# Altium PCB Omarichet_EPS - Copy.PcbDoc (part 3 of 3)
Units mil, origin at the board's own origin, x right, y up, seen from the top; angles counter-clockwise.
Board outline 6000 x 4000 mil, 2 copper layers (Top Layer, Bottom Layer); 253 components, 165 nets, 888 pads, 190 vias.
Unrouted connection lines stored in the file: 108.
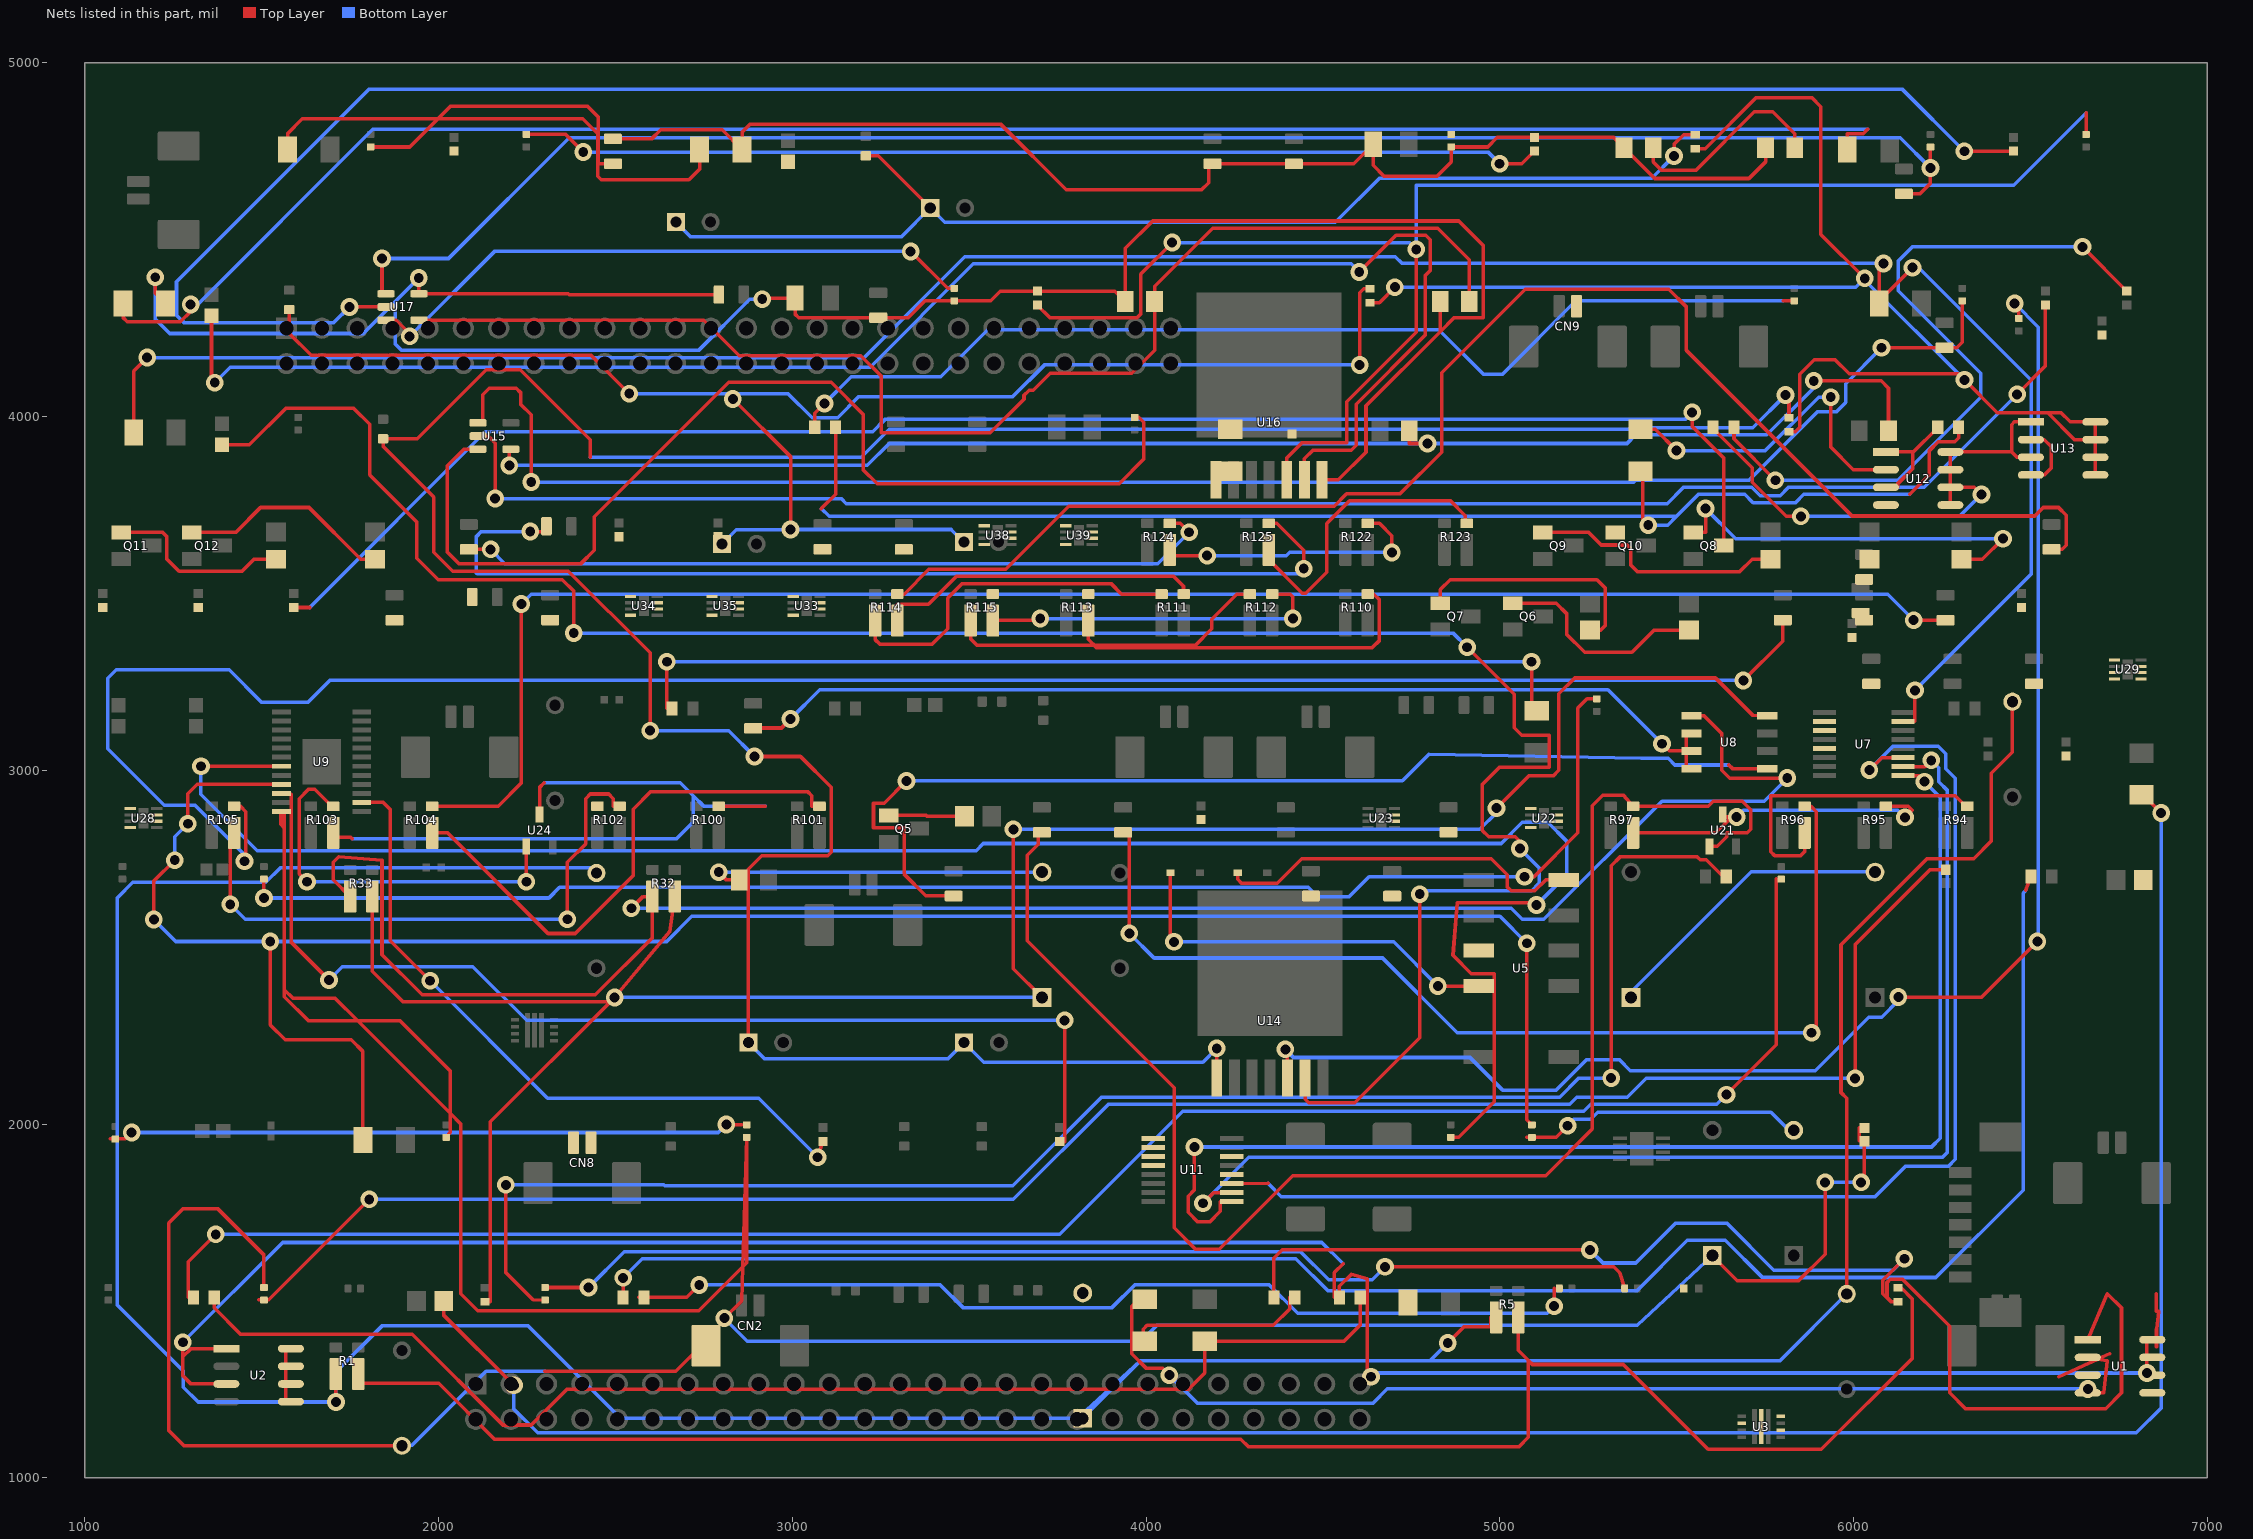
[diagram p3: the nets of this part, all layers, seen from the top]

## Via types
v1: diameter 50, hole 28, Top Layer to Bottom Layer, 190 vias

## Nets (pads, with @x,y where several pads share a name; then routed paths per layer and width w, separated by ;. In a path a pad name is that pad's centre, name@x,y a point inside that pad or via, vN(x,y) a via of type N, cw(c..) or ccw(c..) an arc to the next point about the centre after c; other vN are vias at no path point) (continued)
NetC22_1: C22.1 R51.2 | length 1801.7
  Top Layer w10: 1071.75,1958.03 1114.03,1958.03 v1(1132,1976) ; v1(2813.46,1998.46) 2856.75,1998.46
  Bottom Layer w10: v1(1132,1976) 2791,1976 v1(2813.46,1998.46)
NetC26_1: C26.1 C27.1 C28.1 J4.2 U14.1 | length 8639.2
  Top Layer w10: 2428.7,3885 2428.7,3934.47 2231.17,4132 2134.56,4132 1940,3937.44 C28.1@1842.91,3937.44 1842.91,3916.09 1986.46,3772.54 1986.46,3616.54 2040,3563 2367,3563 2598,3332 v1(2598,3112) ; C26.1@2875.79,2230 2875.79,2720.57 2913.21,2758 3100,2758 3110,2768 3110,2952 3023,3039 v1(2893,3039) ; U14.1@4200,2130 v1(4200,2214) ; v1(5807.91,4061) 5817.91,4051 J4.2@5817.91,3996.65
  Bottom Layer w10: 2428.7,3885 3195,3885 3274,3964 5364.47,3964 5368.98,3968.5 5715.42,3968.5 v1(5807.91,4061) ; v1(2598,3112) 2820,3112 v1(2893,3039) ; C26.1@2875.79,2230 2920.79,2185 3440.79,2185 C27.1@3485.79,2230 3540.79,2175 4161,2175 v1(4200,2214)
NetC29_1: C29.1 U14.6 | length 6356.4
  Top Layer w10: C29.1@1387.91,3920.47 1465,3920.47 1567.53,4023 1760,4023 1805,3978 1805,3835 1938,3702 1938,3600 1999,3539 2350,3539 2382,3507 v1(2382,3388) ; U14.6@4450,2130 4450,2070 4460,2060 4590,2060 4774,2244 v1(4774,2650) ; v1(4908,3348) 5041,3215 5041,3120 5062,3099 5140,3099 5140,3008 4999,3008 4951,2960 4951,2830 4969,2812 5044,2812 5057,2799 v1(5057,2779)
  Bottom Layer w10: v1(2382,3388) 4868,3388 v1(4908,3348) ; v1(4774,2650) 4783,2659 5090.23,2659 5111.23,2680 5111.23,2724.77 v1(5057,2779)
NetC30_1: C30.1 C31.1 C32.1 R74.1 R75.1 R76.2 R77.1 R78.2 U16.7 U17.5 | length 6505.6
  Top Layer w10: v1(1199,4394) 1199,4348.95 R78.2@1227.95,4320 ; v1(1944,4392) 1944,4347.4 U17.5@1944.57,4347.4 2367,4347.4 2369.4,4345 C31.1@2792.48,4345 ; v1(2915,4332) 2918,4335 C32.1@3007.72,4335 3007.72,4290 3018.15,4279.57 C30.1@3242.91,4279.57 3327.57,4279.57 3375.28,4327.28 R77.1@3457.91,4327.28 3561,4327.28 3588.4,4354.69 R76.2@3692.91,4354.69 3911.89,4354.69 R75.1@3941.57,4325 3941.57,4475.57 4019,4553 4884.52,4553 4952.88,4484.65 4952.88,4280 4871.57,4280 4831.57,4240 ; U16.7@4497.91,3821.5 4497.91,3821 4544,3821 4622,3899 4622,4030.43 4831.57,4240 ; R74.1@4831.57,4325 4831.57,4240
  Bottom Layer w10: v1(1199,4394) 1199,4276 1240,4235 1787,4235 1878,4326 ; v1(1944,4392) 1878,4326 ; v1(2915,4332) 2880,4332 2735,4187 1896,4187 1878,4205 1878,4326
NetC33_1: C33.1 C34.1 C35.1 J6.2 U16.1 | length 5119.6
  Top Layer w10: C35.1@1577.91,4302.44 1577.91,4235.09 1640,4173 2431,4173 v1(2539,4065) ; v1(2832,4050) 2995,3887 v1(2995,3681) ; v1(4604,4146) 4604,4350 4615.65,4361.65 J6.2@4632.91,4361.65
  Bottom Layer w10: v1(2539,4065) v1@2817,4065 ; C33.1@2800.79,3640 2841.38,3680.59 3449.41,3680.59 ; v1(2832,4050) v1@2817,4065 ; v1(2995,3681) 3449,3681 3449.41,3680.59 ; C34.1@3485,3645 3449.41,3680.59 ; v1(4604,4146) 3713,4146 3622.7,4055.7 3187,4055.7 3128.3,3997 3055.94,3997 2987.94,4065 v1@2817,4065
NetC36_1: C36.1 U16.6 | length 4716.7
  Top Layer w10: C36.1@1357.91,4285.47 1357.91,4105.09 v1(1367,4096) ; U16.6@4447.91,3821.5 4447.91,3880.91 4472,3905 4580,3905 4594,3919 4594,4035 4789,4230 4789,4398 4804,4413 4804,4500 4791,4513 4707,4513 v1(4603,4409)
  Bottom Layer w10: v1(1367,4096) 1411,4140 3220,4140 3512,4432 4580,4432 v1(4603,4409)
NetC37_1: C37.1 C38.1 C39.1 R84.1 R85.1 R86.2 R87.1 R88.2 R89.2 | length 3762.3
  Top Layer w10: R89.2@2492.91,4785.04 2602.04,4785.04 2628,4811 2801.95,4811 R88.2@2857.95,4755 2857.95,4803.95 2880,4826 3590,4826 3775,4641 4157,4641 4177,4661 4177,4714.57 C37.1@4187.91,4714.57 C38.1@4417.91,4714.57 4587.28,4714.57 C39.1@4642.72,4770 4642.72,4710.2 4672.91,4680 4822.91,4680 4862.91,4720 R87.1@4862.91,4762.28 4966,4762.28 4993.4,4789.69 R86.2@5097.91,4789.69 5321.89,4789.69 R85.1@5351.57,4760 5438.37,4673.2 5704.78,4673.2 5751.57,4720 R84.1@5751.57,4760
NetC40_1: C40.1 C41.1 C42.1 J8.2 | length 3314.5
  Top Layer w10: C42.1@3207.91,4737.44 3242.56,4737.44 C41.1@3390,4590 ; v1(5493,4737) 5493,4769.65 5520,4796.65 J8.2@5552.91,4796.65
  Bottom Layer w10: C40.1@2670.79,4550 2711.79,4509 3309,4509 C41.1@3390,4590 3431,4549 4535,4549 4660,4674 5430,4674 v1(5493,4737)
NetC43_1: C43.1
NetC44_1: C44.1 U22.4
NetC47_1: C47.1 R96.4 U22.7 | length 3018.3
  Top Layer w10: C47.1@3935.43,2824.57 3953,2824.57 v1(3953,2539) ; R96.4@5861.93,2898.15 5880,2898.15 5895,2883.15 5895,2271 v1(5882,2258)
  Bottom Layer w10: v1(3953,2539) 4022.71,2469.29 4668.71,2469.29 4880,2258 v1(5882,2258)
NetC48_1: C48.1 R97.4 U21.1 U23.7 | length 4264.3
  Top Layer w10: C48.1@3705.43,2824.57 3695,2824.57 3695,2791 3664,2760 3664,2518 4079.38,2102.62 4079.38,1706.62 4140,1646 4207,1646 4415,1854 5130,1854 5262,1986 5262,2900 5291,2929 5350,2929 R97.4@5376.93,2898.15 5589.65,2898.15 5604,2912.5 5685.5,2912.5 5710,2888 5710,2833 5700,2823 5642,2823 5642,2812 5615,2785 U21.1@5593.03,2785
NetC50_1: C50.1 U28.4
NetC52_1: C52.1 U29.4
NetC54_1: C54.1 R103.4 U24.1 | length 1090.7
  Top Layer w10: v1(1628,2685) 1606,2707 1606,2920 1632,2946 1650.15,2946 1698,2898.15 R103.4@1701.93,2898.15 ; v1(2248.03,2685) U24.1@2248.03,2785
  Bottom Layer w10: v1(1628,2685) v1(2248.03,2685)
NetC55_1: C55.1 R104.4 U28.7 | length 4853.8
  Top Layer w10: R104.4@1981.93,2898.15 2168.15,2898.15 2234,2964 v1(2234,3470) ; v1(6170.43,3424.57) C55.1@6260.43,3424.57
  Bottom Layer w10: v1(2234,3470) 2262,3498 6097,3498 v1(6170.43,3424.57)
NetC56_1: C56.1 R105.4 U29.7 | length 5822.8
  Top Layer w10: R105.4@1421.93,2898.15 1440,2898.15 1455,2883.15 1455,2747 v1(1451,2743) ; v1(5689,3254) 5800,3365 5800,3424.57 C56.1@5800.43,3424.57
  Bottom Layer w10: v1(1451,2743) 1451,2762 1311.47,2901.53 1224.47,2901.53 1065,3061 1065,3260 1089,3284 1408,3284 1499,3193 1631,3193 1692,3254 v1(5689,3254)
NetC57_1: C57.1 U33.4
NetC59_1: C59.1 U34.4
NetC61_1: C61.1 U35.4
NetC63_1: C63.1 R113.4 U33.7
NetC64_1: C64.1 R114.4 U34.7 | length 4280.8
  Top Layer w10: R114.4@3296.93,3498.15 3316.15,3498.15 3386,3568 3603,3568 3781.93,3746.93 4531.93,3746.93 4567,3782 4718.33,3782 4836,3899.67 4836,4123.59 5072.41,4360 5478,4360 5528,4310 5528,4187 5996,3719 6513,3719 6537,3743 6580,3743 6602,3721 6602,3636.57 6590,3624.57 C64.1@6560.43,3624.57
NetC65_1: C65.1 R115.4 U35.7
NetC66_1: C66.1 U38.4
NetC68_1: C68.1 U39.4
NetC70_1: C70.1 R124.4 U38.7 | length 2155.4
  Top Layer w10: C70.1@2085.43,3624.57 v1(2147,3624.57) ; R124.4@4066.93,3698.15 4096.85,3698.15 v1(4122,3673)
  Bottom Layer w10: v1(2147,3624.57) 2187.16,3584.41 4033.41,3584.41 v1(4122,3673)
NetC71_1: C71.1 R125.4 U39.7 | length 2850.3
  Top Layer w10: v1(2259,3675) 2305,3675 C71.1@2305,3690 ; R125.4@4346.93,3698.15 4370,3698.15 4446,3622.15 v1(4446,3570)
  Bottom Layer w10: v1(2259,3675) 2121,3675 2107,3661 2107,3557.65 2108.65,3556 4432,3556 v1(4446,3570)
NetCN2_MP1: CN2.MP1 D1.1 R14.2 | length 2674.4
  Top Layer w10: R14.2@1506.18,1537.72 1506.18,1629.82 1375,1761 1278,1761 1237,1720 1237,1133.35 1280,1090.35 D1.1@1896.18,1090.35 ; 2300.82,1301 2670.92,1301 2741.75,1371.83 CN2.MP1@2741.75,1373.66
  Bottom Layer w10: D1.1@1881.75,1091.1 1924.25,1091.1 2134.15,1301 2300.82,1301
NetD2_2: D2.2 D6.2 D8.2 R1.1 R5.1 R8.1 | length 10488
  Top Layer w10: v1(1709.69,1214) R1.1@1709.69,1293.35 ; v1(4853,1381) 4899,1427 4975.25,1427 R5.1@4975.25,1454.09 ; D2.2@5981.18,1519.65 5981.18,2072.82 5965,2089 5965,2507 6208,2750 6340,2750 6390,2800 6390,2992 6449.43,3051.43 D8.2@6449.43,3193.9
  Bottom Layer w10: D6.2@2446.18,2709.65 2430.83,2725 1553.75,2725 1511.75,2683 1135,2683 1092,2640 1092,1487.78 1278,1301.78 1278,1256 1320,1214 v1(1709.69,1214) 1709.69,1298.69 1840,1429 2253,1429 2514.17,1167.83 R8.1@3821.18,1167.83 3984.35,1331 ; R8.1@3806.75,1168.58 3814.24,1175.43 3984.35,1331 ; v1(4853,1381) 4803,1331 ; D2.2@5981.18,1519.65 5792.54,1331 4803,1331 ; 3984.35,1331 4803,1331
NetD3_1: D3.1 U5.10 | length 1113.7
  Top Layer w10: D3.1@4069.65,2710 4069,2710 4069,2525 v1(4079,2515) ; v1(4825,2390) U5.10@4941.11,2390
  Bottom Layer w10: v1(4079,2515) 4700,2515 v1(4825,2390)
NetD4_1: D4.1 U5.6 | length 1044.9
  Top Layer w10: D4.1@4259.65,2710 4259,2710 4259,2692 4270,2681 4371,2681 4440,2750 4976.13,2750 5021.52,2704.6 5021.52,2670 5032.52,2659 5099,2659 5130,2690 U5.6@5181.26,2690
NetF1_2: R32.1 R33.1 U8.1 | length 5448.2
  Top Layer w10: R33.1@1749.69,2643.35 1702,2691.03 1702,2740 1718,2756 1840,2746 1840,2479 1954,2365 2443,2365 2604.69,2526.69 R32.1@2604.69,2643 ; v1(2545,2610) 2578,2643 R32.1@2604.69,2643 ; R32.1@2604.69,2643.35 R32.1@2604.69,2643 ; U8.1@5542.18,3154.25 5577.75,3154.25 5628,3104 5628,3000 5650,2978 v1(5813,2978)
  Bottom Layer w10: v1(2545,2610) 5033.11,2610 5064.11,2579 5125,2579 5459,2913 5748,2913 v1(5813,2978)
NetJ1_2: J1.2 R1.2 R5.2 | length 5288.5
  Top Layer w10: R1.2@1772.68,1293.35 1772.68,1267 2000,1267 2158,1109 4268,1109 4289,1088 5055,1088 5081,1114 5081,1331.68 ; R5.2@5052.68,1453.35 5052.68,1360 5081,1331.68 ; J1.2@6126.18,1536.65 6135.06,1536.65 6167,1504.71 6167,1338 5909,1080 5589,1080 5349,1320 5092.68,1320 5081,1331.68
NetJ2_1: J2.1 R29.1 R32.2 R33.2 U8.8 | length 6488.1
  Top Layer w10: R33.2@1812.68,2643.35 1812.68,2432.32 1900,2345 v1@2485,2345 ; J2.1@2131.18,1497.28 2146,1497.28 2146,2006 v1@2485,2345 ; R32.2@2667.68,2643.35 2653.25,2543 v1(2497.83,2357.83) v1@2485,2345 ; v1(3625,2833) 3625,2439.02 R29.1@3706.18,2357.83 ; v1(4991,2893) 5082.02,2984.02 5151.37,2984.02 5167.35,3000 5167.35,3216.35 5212,3261 5610,3261 5716,3155 U8.8@5756.68,3154.25
  Bottom Layer w10: v1(2497.83,2357.83) R29.1@3706.18,2357.83 ; v1(3625,2833) 4944,2833 4991,2880 v1(4991,2893)
NetJ4_1: J4.1 J6.1 J8.1 U13.5 U13.6 U13.7 U13.8 | length 4221.4
  Top Layer w10: J6.1@4632.91,4322.28 4660,4322.28 v1(4703.72,4366) ; J8.1@5552.91,4757.28 5581,4757.28 5725.72,4902 5882,4902 5908,4876 5908,4515 v1(6032,4391) ; J4.1@5817.91,3957.28 5835.28,3957.28 5848,3970 5848,4120 5889,4161 5948,4161 5988,4121 6297,4121 v1(6314,4104) 6407,4011 6549,4011 ; U13.5@6684.1,3835 U13.6@6684.1,3885 U13.7@6684.1,3935 ; 6549,4011 6587,4011 6613,3985 U13.8@6684.1,3985 U13.7@6684.1,3935 ; 6549,4011 6625,3935 U13.7@6684.1,3935
  Bottom Layer w10: v1(4703.72,4366) 6007,4366 v1(6032,4391) 6032,4386 v1(6314,4104)
NetJ5_1: R56.2 R60.2 U15.4 | length 4277
  Top Layer w10: v1(2200,3862) 2200,3907.6 U15.4@2204.57,3907.6 ; R60.2@4744.25,3960 4744.25,3924 v1(4796,3924) ; v1(5888,4101) 6078.91,4101 6099.25,4080.66 R56.2@6099.25,3960
  Bottom Layer w10: v1(2200,3862) 3212,3862 3274,3924 v1(4796,3924) 5359.97,3924 5384.47,3948.5 5755.5,3948.5 5888,4081 v1(5888,4101)
NetJ7_1: R74.2 R75.2 U17.4 | length 3703.1
  Top Layer w10: U17.4@1944.57,4272.6 2749.4,4272.6 2850,4172 3194,4172 3252,4114 3252,3954 3560,3954 3655.06,4049.06 3655.06,4060 3669.84,4074.78 3680.78,4074.78 3729,4123 3960,4123 4024.25,4187.25 R75.2@4024.25,4325 4024.25,4368.25 4189,4533 4824.6,4533 4914.25,4443.35 R74.2@4914.25,4325
NetJ9_1: R84.2 R85.2 | length 583.6
  Top Layer w10: R85.2@5434.25,4760 5434.25,4720 5457.25,4697 5555,4697 5720,4862 5772.25,4862 5834.25,4800 R84.2@5834.25,4760
NetL1_1: L1.1 U3.2
NetQ1_1: R18.1
NetQ1_2: R15.1 R24.1 | length 5312.4
  Top Layer w10: R15.1@1292.22,1510.75 1292.22,1610.22 v1(1370,1688) ; v1(5641,2083) 5781.75,2223.75 5781.75,2693.03
  Bottom Layer w10: v1(1370,1688) 3756,1688 4104,2036 5237.86,2036 5257.86,2056 5614,2056 v1(5641,2083)
NetQ2_1: R28.1
NetQ3_1: R27.1
NetQ4_1: R66.1
NetQ4_2: R63.1 R71.1 | length 3045
  Top Layer w10: R63.1@3063.39,3970 3063.39,4009.39 v1(3091,4037) ; 5801.28,4327.28 R71.1@5832.91,4327.28
  Bottom Layer w10: v1(3091,4037) 3167,4113 3420,4113 3553,4246 4828,4246 4954,4120 5008,4120 5215.28,4327.28 5801.28,4327.28
NetQ5_1: Q5.1 R99.1 | length 215.9
  Top Layer w10: Q5.1@3272.13,2872.4 3378,2872.4 3380.4,2870 R99.1@3487.05,2870
NetQ6_1: Q6.1 R108.1 | length 615.8
  Top Layer w10: Q6.1@5037.13,3472.4 5160,3472.4 5189,3443.4 5189,3385 5240,3334 5374,3334 5436.61,3396.61 R108.1@5535.43,3396.61
NetQ7_1: Q7.1 R109.1 | length 681.4
  Top Layer w10: Q7.1@4832.13,3472.4 4832,3472.4 4832,3511 4860,3539 5275,3539 5299,3515 5299,3410 5285.61,3396.61 R109.1@5255.43,3396.61
NetQ8_1: Q8.1 R119.1 | length 1120.4
  Top Layer w10: Q8.1@5547.13,3672.4 5582,3672.4 v1(5582,3740) ; R119.1@6305.43,3596.61 6364.61,3596.61 v1(6423,3655)
  Bottom Layer w10: v1(5582,3740) 5667,3655 v1(6423,3655)
NetQ8_3: Q8.3 R116.1 U33.1 | length 4596.6
  Top Layer w10: R116.1@1590.43,3460.32 1635.32,3460.32 ; v1(5544,4012) 5544,3972 5634,3882 5634,3635 Q8.3@5633.74,3635
  Bottom Layer w10: 1635.32,3460.32 2132,3957 3227,3957 3262,3992 5524,3992 v1(5544,4012)
NetQ9_1: Q9.1 R120.1 | length 730.3
  Top Layer w10: Q9.1@5122.13,3672.4 5252,3672.4 5287.4,3637 5360,3637 5370,3627 5370,3581 5389,3562 5679,3562 5713.61,3596.61 R120.1@5765.43,3596.61
NetQ10_1: Q10.1 R121.1
NetQ11_1: Q11.1 R128.1 | length 534.8
  Top Layer w10: Q11.1@1102.13,3672.4 1220,3672.4 1232,3660.4 1232,3597 1266.09,3562.91 1444.19,3562.91 1477.89,3596.61 R128.1@1540.43,3596.61
NetQ12_1: Q12.1 R129.1 | length 608.2
  Top Layer w10: Q12.1@1302.13,3672.4 1426,3672.4 1496.6,3743 1633.61,3743 1780,3596.61 R129.1@1820.43,3596.61
NetR2_1: R2.1 R11.2 | length 3181
  Top Layer w10: R11.2@2301.18,1537.72 v1(2423.72,1537.72) ; v1(4675.98,1596) 5322.07,1596 5339.03,1579.03 R2.1@5353.47,1535
  Bottom Layer w10: v1(2423.72,1537.72) 2525.25,1639.25 4436.98,1639.25 4516.22,1560 4639.98,1560 v1(4675.98,1596)
NetR3_1: R3.1 R12.2 | length 2748.2
  Top Layer w10: R12.2@2566.28,1510.75 2566.28,1510 R12.2@2580.71,1510 2702,1510 v1(2737,1545) ; v1(5154.03,1485) 5154.03,1535.75
  Bottom Layer w10: v1(2737,1545) 3418.49,1545 3482.49,1481 3904,1481 3968,1545 4348.59,1545 4428.59,1465 5134.03,1465 v1(5154.03,1485)
NetR4_1: R4.1 U3.7
NetR6_2: R6.2 R9.1 | length 523.6
  Top Layer w10: R9.1@3996.18,1385.94 3992,1385.94 3992,1420 4003,1431 4360,1431 4406,1477 4406,1510 R6.2@4420.71,1510
NetR7_1: R7.1 U1.5 U1.6 U1.7 U1.8 U2.1 U2.3 | length 6928
  Top Layer w10: v1(1277,1383) 1277,1342 ; U2.3@1385.57,1265.75 1300,1265.75 1277,1288.75 ; U2.3@1400,1265 1300,1265 1277,1288 1277,1288.75 ; U2.1@1400,1365 1300,1365 1277,1342 ; R7.1@4532.22,1510.75 4532.22,1580 4557.22,1605 ; R7.1@4546.66,1510 4546.66,1541.31 4580,1574.66 4625.71,1562.29 4625.71,1296 v1(4636.36,1285.36) ; v1(6830,1296) 6830,1390 U1.8@6845,1390 ; 6856.18,1420 6857,1420 ; 6856.18,1520 6856,1520 6856,1470 6863,1470 6857,1420 ; 1277,1288.75 1277,1342 ; 6857,1420 6856.18,1370 6857,1370 6857,1420
  Bottom Layer w10: v1(1277,1383) 1559,1665 4497.22,1665 4557.22,1605 ; v1(4636.36,1285.36) 4647,1296 v1(6830,1296)
NetR7_2: R7.2 R10.1 R15.2 | length 3655.1
  Top Layer w10: R15.2@1365.71,1510 1365.71,1480 1439.71,1406 1925,1406 2182,1149 2262,1149 2363,1250 4120,1250 4166.18,1296.18 R10.1@4166.18,1385.94 4560,1385.94 4605.71,1431.66 R7.2@4605.71,1510
NetR8_2: R8.2
NetR9_2: R9.2 U1.2 U1.4 | length 3318.5
  Top Layer w10: R9.2@3996.18,1504.06 3979.25,1504.06 3960,1484.8 3960,1350 4000,1310 4046,1310 v1(4066,1290) ; 6580,1285 U1.2@6690.12,1335.04 ; U1.4@6662.63,1240 U1.4@6663,1240 ; U1.2@6662.63,1340 U1.2@6690.12,1335.04 ; v1(6663,1251) U1.4@6663,1240 ; 6724.98,1350.88 U1.2@6690.12,1335.04 ; U1.4@6663,1240 6708,1240 6718,1330 U1.2@6690.12,1335.04
  Bottom Layer w10: v1(4066,1290) 4145,1211 4642,1211 4682,1251 v1(6663,1251)
NetR11_1: R11.1 R25.2 U3.9 | length 4601.3
  Top Layer w10: v1(2190,1828) 2190,1580 2266.97,1503.03 R11.1@2301.18,1502.28 ; v1(5315,2130) 5315,2730 5340,2755 5559,2755 5567,2747 5584.28,2747 5626.28,2705 R25.2@5640.71,2700
  Bottom Layer w10: v1(2190,1828) 2637,1828 2640,1825 3623,1825 3874,2076 5170,2076 5224,2130 v1(5315,2130)
NetR12_1: R12.1 R20.1 U3.5 | length 5171.2
  Top Layer w10: R12.1@2521.66,1510 v1(2521.66,1565) ; 6487.22,2660.22 R20.1@6501.66,2700
  Bottom Layer w10: v1(2521.66,1565) 2575.9,1619.25 4423.75,1619.25 4515,1528 5387.31,1528 5530.31,1671 5638,1671 5743,1566 6233,1566 6480,1813 6480,2653 6487.22,2660.22
NetR13_2: R13.2 R17.1 | length 6861.6
  Top Layer w10: R13.2@2014.57,1500 2014,1500 2014,1460 v1(2213,1261) ; R17.1@6814.43,2930.2 6819,2930.2 v1(6870,2879.2)
  Bottom Layer w10: v1(2213,1261) 2213,1194 2280,1127 6800,1127 6870,1197 v1(6870,2879.2)
NetR14_1: R14.1 R22.2 | length 5480.5
  Top Layer w10: 1491.75,1503.03 1520.03,1503.03 v1(1804,1787) ; v1(6005,2129) 6005,2507.45 6217,2719.45 6246.75,2719.45
  Bottom Layer w10: v1(1804,1787) 3625,1787 3894,2056 5197.86,2056 5217.86,2076 5361,2076 5414,2129 v1(6005,2129)
NetR21_2: R21.2
NetR23_2: R23.2 R26.1 | length 836.8
  Bottom Layer w10: R26.1@5356.75,2358.58 5711.08,2712.91 R23.2@6046.75,2712.91
NetR29_2: R29.2 R31.1 | length 981.3
  Top Layer w10: v1(2792,2712.17) 2792,2712 2814,2690 R31.1@2849.85,2690
  Bottom Layer w10: v1(2792,2712.17) R29.2@3706.18,2712.17
NetR30_1: R30.1 U8.5 | length 3019.7
  Top Layer w10: v1(3323,2970) 3260.09,2907.09 3229.57,2907.09 3229.57,2837.72 3316,2837.72 3316,2707 3377.69,2645.31 R30.1@3441.75,2645.31 ; 5648,3015 5658,3005 U8.5@5742.25,3005
  Bottom Layer w10: v1(3323,2970) 4725,2970 4800,3045 5400.17,3033.83 5476.18,3033.83 5495.01,3015 5648,3015
NetR34_1: R34.1 R37.2 | length 4283.6
  Top Layer w10: v1(1506.18,2639) R34.1@1506.18,2692.28 ; v1(5070,2699) 5097,2699 5221,2823 5221,3176 5246.97,3201.97 R37.2@5274.43,3201.97
  Bottom Layer w10: v1(1506.18,2639) 2312,2639 2342,2669 4459.17,2669 4485.78,2642.39 4574,2642.39 4630.61,2699 v1(5070,2699)
NetR41_2: R41.2 R43.1 | length 2714.5
  Top Layer w10: R43.1@2645.47,3175 v1(2645.47,3307) ; R41.2@5090,3169.06 v1(5090,3307)
  Bottom Layer w10: v1(2645.47,3307) v1(5090,3307)
NetR44_1: R44.1 U8.2 U8.3 U8.4 | length 2869.3
  Top Layer w10: R44.1@2875,3119.57 2969.57,3119.57 v1(2995,3145) ; v1(5459,3075) 5479,3055 U8.3@5527.75,3055 ; U8.4@5527.75,3005 U8.3@5527.75,3055 ; U8.2@5527.75,3105 U8.3@5527.75,3055
  Bottom Layer w10: v1(2995,3145) 3078,3228 5306,3228 v1(5459,3075)
NetR45_1: R45.1 R45.2 R46.1 R51.1 R53.1 U9.12 | length 7998.8
  Top Layer w10: R53.1@2021.18,1962.28 2020,1963.03 2033,1976.03 2033,2030 ; v1(2808,1451) 2856.75,1499.75 2859.75,1596 ; R46.1@5601.18,1627.83 5672.02,1557 5845,1557 5920,1632 v1(5920,1835) ; 6016.75,1952.05 6016.75,1989.45 ; v1(6022,1835) 6031.18,1844.18 R45.1@6031.18,1951.3 ; 1564,2380 1564,2360 1632,2292 1771,2292 ; 1564,2380 1564,2837 ; 1564,2380 1589,2355 1708,2355 1771,2292 ; 1564,2837 1564,2883.5 U9.12@1556.18,2883.5 1554,2883.5 1554,2847 1564,2837 ; 1771,2292 1891,2292 2033,2150 2033,2030 ; 1771,2292 2033,2030 ; 2033,2030 2063,2000 2063,1520 2111,1472 2735.75,1472 2859.75,1596 ; 2859.75,1596 R51.1@2871.18,1962.28 2871.18,1607.43 2859.75,1596
  Bottom Layer w10: v1(2808,1451) 2873,1386 3986,1386 4031,1431 5389.17,1431 R46.1@5601.18,1627.83 ; v1(5920,1835) v1(6022,1835)
NetR47_2: R47.2 R48.1 | length 789.5
  Top Layer w10: 5076.75,1963.03 5160.03,1963.03 v1(5192,1995)
  Bottom Layer w10: v1(5192,1995) 5209.97,2012.97 5257.86,2012.97 5277.66,2032.78 5766.89,2032.78 R47.2@5816.75,1982.91
NetR48_2: R48.2 R54.1 U9.9 | length 5938.5
  Top Layer w10: v1(1195,2578) 1195,2687 v1(1254,2746) ; v1(1291,2849) 1291,2934 1317.28,2960.28 U9.9@1556.18,2960.28 ; v1(1524,2516) 1524,2280 1566,2238 1753,2238 1786.14,2204.86 R54.1@1786.14,1955 ; v1(5076.75,2511) 5076.75,2012.15 R48.2@5091.18,1997.72
  Bottom Layer w10: v1(1195,2578) 1257,2516 v1(1524,2516) 2645,2516 2716,2587 5000.75,2587 v1(5076.75,2511) ; v1(1254,2746) 1254,2812 v1(1291,2849)
NetR49_1: R49.1 U9.7 | length 5546.3
  Top Layer w10: v1(1328,3011.46) U9.7@1556.18,3011.46 ; R49.1@4861.18,1962.28 4884,1962.28 4985,2063.28 4985,2425 4920,2425 4868,2477 4880,2625 5098,2625 v1(5104,2619)
  Bottom Layer w10: v1(1328,3011.46) 1328,2932.62 1487.62,2773 3520,2773 3540,2793 5004,2793 5064,2853 5136,2853 5189,2800 5189,2704 v1(5104,2619)
NetR50_1: R50.1 U9.10 | length 3112.1
  Top Layer w10: U9.10@1556.18,2934.69 1584,2932 1584,2513 v1(1690,2407) ; R50.1@3756.18,1950.32 3770,1950.32 v1(3770,2293)
  Bottom Layer w10: v1(1690,2407) 1728,2445 2097,2445 2249,2293 v1(3770,2293)
NetR52_1: R52.1 U9.14 | length 1968.6
  Top Layer w10: U9.14@1782.68,2909.09 1843.16,2909.09 1863,2889.25 1863,2518 v1(1976,2405) ; v1(3071.75,1906) R52.1@3086.18,1950.32
  Bottom Layer w10: v1(1976,2405) 2308,2073 2904.75,2073 v1(3071.75,1906)
NetR55_1: R55.1 U12.1 U12.3 | length 328.6
  Top Layer w10: U12.3@6091.73,3800 6126,3800 6126,3811 6168,3853 6168,3898.47 6169.53,3900 ; U12.1@6091.73,3900 6169.53,3900 ; R55.1@6238.39,3970 6238.39,3968.86 6169.53,3900
NetR55_2: R55.2 R57.1 R63.2 | length 3909.1
  Top Layer w10: 3082,3740 3122.44,3780.44 R63.2@3122.44,3970 ; R57.1@5397.91,3845.94 5405,3845.94 5405,3708 v1(5420,3693) ; 6159,3780 6215,3836 6215,3904 6240,3929 6286.44,3929 6297.44,3940 R55.2@6297.44,3970
  Bottom Layer w10: 3082,3740 3104,3718 5500,3718 ; v1(5420,3693) 5475,3693 5500,3718 ; 6159,3780 5859.84,3780 5836.35,3756.51 5716.35,3756.51 5692.86,3780 5562,3780 5500,3718
NetR57_2: R57.2 U12.2 U12.4 | length 948.7
  Top Layer w10: R57.2@5397.91,3964.06 5440,3964.06 v1(5500.06,3904) ; v1(5936,4055) 5936,3914 6000,3850 U12.2@6091.73,3850
  Bottom Layer w10: v1(5500.06,3904) 5751,3904 5902,4055 v1(5936,4055)
NetR58_1: R58.1 U12.5 U12.6 U12.7 U12.8 U13.1 U13.3 | length 1530
  Top Layer w10: R58.1@5603.39,3970 5603.39,3966 5714.31,3855.07 5714.31,3814.07 5810.38,3718 v1(5851.39,3718) ; U12.5@6274.1,3750 U12.6@6274.1,3800 ; v1(6362,3780) 6342,3800 U12.6@6274.1,3800 ; U13.3@6501.73,3885 6462.37,3885 6447.37,3900 ; U13.1@6501.73,3985 6455,3985 6447.37,3977.37 6447.37,3900 ; U12.6@6274.1,3800 U12.7@6274.1,3850 U12.8@6274.1,3900 6447.37,3900
  Bottom Layer w10: v1(5851.39,3718) 6300,3718 v1(6362,3780)
NetR58_2: R58.2 R61.1 R69.2 | length 2072.3
  Top Layer w10: R58.2@5662.44,3970 5662.44,3937 v1(5779.44,3820) ; v1(6647.6,4480) R69.2@6772.91,4354.69
  Bottom Layer w10: v1(5779.44,3820) 6125,3820 6360,4055 6360,4123 6127,4356 6127,4440 6167,4480 v1(6647.6,4480)
NetR59_1: R59.1 R67.2 U14.5 | length 4342
  Top Layer w10: v1(4394,2211) 4400,2205 U14.5@4400,2130 ; v1(6127,2359) 6363,2359 v1(6520,2516) ; v1(6456,4320) 6467.91,4308.09 R67.2@6467.91,4277.72
  Bottom Layer w10: v1(4394,2211) 4417,2188 4916,2188 5008,2096 5160,2096 5245,2181 5339,2181 5369,2151 5892,2151 6043,2302 6080,2302 6127,2349 v1(6127,2359) ; v1(6456,4320) 6523,4253 6523,2519 v1(6520,2516)
NetR61_2: R61.2 U13.2 U13.4 | length 193.1
  Top Layer w10: U13.4@6501.73,3835 6540,3835 6560,3855 6560,3915 6540,3935 U13.2@6501.73,3935
NetR62_2: R62.2 U15.3 | length 2975.4
  Top Layer w10: U15.3@2111.26,3907.6 2071.6,3907.6 2024.84,3860.84 2024.84,3617.16 2057.43,3584.57 2402.57,3584.57 2440,3622 2440,3716.93 2820,4096.93 3110.07,4096.93 3200,4007 3200,3850 3240,3810 3924,3810 3994,3880 3994,3983.72 3980,3997.72 R62.2@3967.91,3997.72
NetR68_1: R68.1 R73.1 U15.1 | length 4836
  Top Layer w10: U15.1@2111.26,3982.4 2125,3982.4 2125,4061.94 2143.06,4080 2220,4080 2231.67,4068.32 2231.67,4035.33 2262,4005 v1(2262,3815) ; v1(6079.57,4194.57) R68.1@6257.91,4194.57 6292.48,4194.57 6307.91,4210 R73.1@6307.91,4327.28
  Bottom Layer w10: v1(2262,3815) 5379.47,3815 5384.47,3820 5705,3820 5898.09,4013.09 5951.07,4013.09 5977.97,4040 5977.97,4092.97 v1(6079.57,4194.57)
NetR70_1: R70.1 U15.2 | length 4955.5
  Top Layer w10: U15.2@2111.26,3945 2140,3945 2160,3925 v1(2160,3768.33) ; v1(6463,4063) 6542.91,4142.91 R70.1@6542.91,4315.31
  Bottom Layer w10: v1(2160,3768.33) 3138.53,3768.33 3152.86,3754 5473.58,3754 5519.58,3800 5712.86,3800 5736.35,3776.51 5792.86,3776.51 5816.35,3800 6200,3800 v1(6463,4063)
NetR76_1: R76.1 R80.2 U16.5 | length 4346.1
  Top Layer w10: R76.1@3692.91,4315.31 3728.23,4280 3975,4280 3985,4290 3985,4403 v1(4074,4492) ; U16.5@4397.91,3821.5 4397.91,3882.91 4441,3926 4568,3926 4568,4042 4764,4238 v1(4764,4473) ; R80.2@6657.91,4797.72 6657.91,4858.91
  Bottom Layer w10: v1(4074,4492) 4745,4492 v1(4764,4473) 4764,4654 6453,4654 6657.91,4858.91
NetR77_2: R77.2 U17.3 | length 1772.6
  Top Layer w10: U17.3@1851.26,4272.6 1880,4272.6 1918,4234.6 v1(1918,4227) ; v1(3334.72,4467) 3439,4362.72 R77.2@3457.91,4362.72
  Bottom Layer w10: v1(1918,4227) 2158,4467 v1(3334.72,4467)
NetR78_1: R78.1 R83.1 | length 5349.5
  Top Layer w10: R78.1@1107.87,4320 1107.87,4280 1119.87,4268 1270,4268 1299,4297 v1(1299,4317) ; R83.1@5982.87,4755 5982.87,4800 6028,4800 6040,4812
  Bottom Layer w10: v1(1299,4317) 1299,4297 1814,4812 6040,4812
NetR79_1: R79.1 R82.1 U17.1 | length 4855.1
  Top Layer w10: v1(1840,4447) 1840,4347.4 U17.1@1851.26,4347.4 ; R79.1@6142.91,4629.57 6187.48,4629.57 6217.91,4660 v1(6217.91,4703) R82.1@6217.91,4762.28
  Bottom Layer w10: v1(1840,4447) 2028,4447 2369,4788 6132.91,4788 v1(6217.91,4703)
NetR81_1: R81.1 U17.2 | length 6204.8
  Top Layer w10: v1(1748,4310) U17.2@1851.26,4310 ; v1(6313.69,4750.31) R81.1@6452.91,4750.31
  Bottom Layer w10: v1(1748,4310) 1704,4266 1280,4266 1259,4287 1259,4381 1803,4925 6139,4925 v1(6313.69,4750.31)
NetR86_1: R86.1 R90.2 | length 2898.9
  Top Layer w10: R90.2@2247.91,4797.72 2359.28,4797.72 v1(2409,4748) ; v1(5000,4715) 5062.6,4715 R86.1@5097.91,4750.31
  Bottom Layer w10: v1(2409,4748) 4967,4748 v1(5000,4715)
NetR87_2: R87.2
NetR88_1: R88.1 R93.1 | length 1436.4
  Top Layer w10: R93.1@1572.87,4755 1572.87,4800 1614.87,4842 2408,4842 2450,4800 2450,4680 2460,4670 2707.87,4670 2737.87,4700 R88.1@2737.87,4755
NetR89_1: R89.1 R92.1 | length 877.6
  Top Layer w10: R92.1@1807.91,4762.28 1918.28,4762.28 2034,4878 2420,4878 2452,4846 2452,4714.57 R89.1@2492.91,4714.57
NetR91_1: R91.1
NetR94_4: R94.4 R96.2 U22.6 | length 884.7
  Top Layer w10: R96.2@5861.93,2823.35 5861.93,2770 5850.93,2759 5777,2759 5766,2770 5766,2928 6288.15,2928 6318,2898.15 R94.4@6321.93,2898.15
NetR95_4: R95.4 R97.2 U21.3 U23.6 | length 943.4
  Top Layer w10: R97.2@5376.93,2823.35 5376.93,2823 5610.93,2823 v1@5655.93,2868 ; U21.3@5630.43,2875 5630.43,2868 v1@5655.93,2868 ; v1(5670,2868) v1@5655.93,2868 ; R95.4@6091.93,2898.15 6154.7,2898.15 6165.85,2887 v1(6145.85,2867)
  Bottom Layer w10: v1(5670,2868) 5689,2887 6125.85,2887 v1(6145.85,2867)
NetR98_1: R98.1 U22.1
NetR100_4: R100.4 R103.2 U24.3 | length 2006.2
  Top Layer w10: R103.2@1701.93,2823.35 1701.93,2811 1752,2811 1756,2807 ; U24.3@2285.43,2875 2285.43,2951.43 2299,2965 ; R100.4@2791.93,2898.15 2924.15,2898.15
  Bottom Layer w10: 1756,2807 2673,2807 2720,2854 2720,2928 ; 2299,2965 2683,2965 2720,2928 ; 2924.15,2898.15 2923.3,2899 2749,2899 2720,2928
NetR101_4: R101.4 R104.2 U28.6 | length 1524.9
  Top Layer w10: R104.2@1981.93,2823.35 1981.93,2824 2024,2824 2309.45,2538.55 2386.12,2538.55 2550,2702.43 2550,2890 2600,2940 3043,2940 3055,2928 3055,2898.15 R101.4@3076.93,2898.15
NetR102_3: R102.3 U29.3 U29.5
NetR102_4: R102.4 R105.2 U29.6 | length 1674.8
  Top Layer w10: v1(1411,2621) 1411,2811.56 1421.93,2811.56 R105.2@1421.93,2823.35 ; v1(2364,2579) 2364,2739.71 2416,2791.71 2416,2920 2429,2933 2481,2933 2494,2920 2494,2898.15 R102.4@2511.93,2898.15
  Bottom Layer w10: v1(1411,2621) 1453,2579 v1(2364,2579)
NetR106_1: R106.1 U28.1
NetR107_1: R107.1 U29.1
NetR110_4: R110.4 R113.2 U33.6 | length 1049.1
  Top Layer w10: R113.2@3836.93,3423.35 3836.93,3370.07 3860,3347 4640,3347 4660,3367 4660,3482.24 4644.09,3498.15 R110.4@4626.93,3498.15
NetR111_3: R111.3 R114.1 | length 1002.9
  Top Layer w10: R114.1@3233.94,3423.35 3233.94,3370 3246.94,3357 3396,3357 3439,3400 3439,3487 3480,3528 3901,3528 3930.85,3498.15 R111.3@4043.94,3498.15
NetR111_4: R111.4 R114.2 U34.6 | length 921.8
  Top Layer w10: R114.2@3296.93,3423.35 3296.93,3469 3385,3469 3464,3548 4078,3548 4106,3520 4106,3498.15 R111.4@4106.93,3498.15
NetR112_3: R112.3 R115.1 | length 925.2
  Top Layer w10: R115.1@3503.94,3423.35 3503.94,3372.06 3523,3353 4139,3353 4186,3400 4186,3427.15 4257,3498.15 R112.3@4293.94,3498.15
NetR112_4: R112.4 R115.2 U35.6 | length 974.1
  Top Layer w10: R115.2@3566.93,3423.35 3566.93,3424 3696,3424 v1(3701,3429) ; R112.4@4356.93,3498.15 4408,3498.15 4415.15,3491 v1(4415.15,3429)
  Bottom Layer w10: v1(3701,3429) v1(4415.15,3429)
NetR117_1: R117.1 U34.1
NetR118_1: R118.1 U35.1
NetR122_4: R122.4 R124.2 U38.6 | length 777.9
  Top Layer w10: R124.2@4066.93,3623.35 4066.93,3607 v1(4173,3607) ; R122.4@4626.93,3698.15 4660,3698.15 4695,3663.15 v1(4695,3616)
  Bottom Layer w10: v1(4173,3607) 4397,3607 4406,3616 v1(4695,3616)
NetR123_4: R123.4 R125.2 U39.6 | length 854.6
  Top Layer w10: R125.2@4346.93,3623.35 4346.93,3596 4441.93,3501 4452,3501 4511,3560 4511,3697.57 4575.43,3762 4861,3762 4903,3720 4903,3698.15 R123.4@4906.93,3698.15
NetR126_1: R126.1 U38.1
NetR127_1: R127.1 U39.1
NetU2_5: U2.5 U2.6 U2.7 U2.8 | length 150
  Top Layer w10: U2.5@1567.93,1215.75 1567.93,1265.75 1567.93,1315.75 U2.8@1567.93,1365.75
NetU5_2: U5.9
NO_SW1: 
O/P1: U11.3
O/P2: U7.3
PBF1: CN8.1
PBF2: CN8.2
RBF: CN9.2
S0: U7.11 U11.11 | length 3625.8
  Top Layer w10: U11.11@4242.18,1831.61 4345,1832.36 ; v1(6045,3001) 6079.87,3035.87 U7.11@6140.43,3035.87
  Bottom Layer w10: 4345,1832.36 4382.8,1794.56 6061.18,1794.56 6146.62,1880 6268.07,1880 6288.07,1900 6288.07,2977.34 6261.37,3004.04 6261.37,3046.63 6240,3068 6112,3068 v1(6045,3001)
S1: U7.10 U11.10 | length 3472.2
  Top Layer w10: v1(4161,1776) 4191.02,1806.02 U11.10@4242.18,1806.02 ; U7.10@6140.43,3010.28 6202.28,3010.28 v1(6220,3028)
  Bottom Layer w10: v1(4161,1776) 4291,1906 6252,1906 6266,1920 6266,2943 6241,2968 6241,3007 v1(6220,3028)
S2: U7.9 U11.9 | length 3580.2
  Top Layer w10: v1(4137,1935) 4137,1814 4119,1796 4119,1750 4146,1723 4180,1723 4210,1753 4210,1780.43 U11.9@4242.18,1780.43 ; U7.9@6140.43,2984.69 6184.31,2984.69 v1(6201,2968)
  Bottom Layer w10: v1(4137,1935) 6221,1935 6246,1960 6246,2923 v1(6201,2968)
T1_BAT: U11.1
T2_BAT: U11.2
T3_BAT: U11.4
V_3V3: U7.5
V_5V: U7.2
V_BAT: U11.14
V_BUS_2: J1.1 R6.1 U1.1 U1.3 | length 3672.8
  Top Layer w10: R6.1@4361.66,1510 4361.66,1620 4385.66,1644 v1(5255,1644) ; v1(6144,1619) 6083,1558 6083,1520 6105.72,1497.28 J1.1@6126.18,1497.28 6106.94,1498.03 6094.97,1510 6094.97,1551.97 6104,1561 6139,1561 6272,1428 6272,1240 6317,1195 6713,1195 6758,1240 6758,1480 6718,1520 U1.1@6662.63,1390
  Bottom Layer w10: v1(5255,1644) 5292,1607 5385,1607 5498,1720 5642,1720 5775,1587 6112,1587 v1(6144,1619)
V_COM: R65.1 R72.1 U7.15 | length 7116.2
  Top Layer w10: R65.1@1137.87,3955 1137.87,4128.87 v1(1176,4167) ; R72.1@6072.87,4320 R72.1@6072.87,4326.87 ; v1(6085,4433) 6072.87,4420.87 R72.1@6072.87,4326.87 ; U7.15@6140.43,3138.23 6174,3138.23 v1(6174,3226) ; v1(6167,4421) R72.1@6072.87,4326.87
  Bottom Layer w10: v1(1176,4167) 3203,4167 3488,4452 4705,4452 4724,4433 v1(6085,4433) ; v1(6167,4421) 6185,4421 6503,4103 6503,3555 v1(6174,3226)
V_SA: U11.12
pads on no net: BAT1.4 BAT1.8 BAT1.9 CN1.1 CN1.2 CN2.1 CN2.2 CN3.1 CN3.2 CN4.1 CN4.2 CN5.2 CN5.MP1 CN5.MP2 CN6.MP1 CN6.MP2 CN7.1 CN7.2 CN8.MP1 CN8.MP2 CN9.MP1 CN9.MP2 CN10.MP1 CN10.MP2 D1.2 D5.2 D7.2 Heater1.2 Heater1.MP1 Heater1.MP2 J2.2 J?.01 J?.02 J?.03 J?.04 J?.05 J?.06 J?.07 J?.08 J?.09 J?.10 J?.11 J?.12 J?.13 J?.14 J?.15 J?.16 J?.17 J?.18 J?.19 J?.20 J?.21 J?.22 J?.23 J?.24 J?.25 J?.26 J?.27 J?.28 J?.29 J?.30 J?.31 J?.32 J?.33 J?.34 J?.35 J?.36 J?.37 J?.38 J?.39 J?.40 J?.41 J?.42 J?.43 J?.44 J?.45 J?.46 J?.47 J?.48 J?.49 J?.50 J?.51 J?.52 L2.1 Q5.3 Q6.2 Q6.3 Q7.3 Q8.2 Q9.3 Q10.3 Q11.3 Q12.2 Q12.3 R1.3 R1.4 R5.3 R5.4 R13.1 R16.2 R18.2 R19.2 R27.2 R28.2 R30.2 R32.3 R32.4 R33.3 R33.4 R35.1 R44.2 R64.2 R66.2 R68.2 R70.2 R79.2 R81.2 R91.2 R94.1 R94.2 R95.1 R95.2 R96.1 R96.3 R97.1 R97.3 R98.2 R99.2 R100.1 R100.2 R101.1 R101.2 R102.1 R102.2 R103.1 R103.3 R104.1 R104.3 R105.1 R105.3 R106.2 R107.2 R108.2 R109.2 R110.1 R110.2 R111.1 R111.2 R112.1 R112.2 R113.1 R113.3 R114.3 R115.3 R116.2 R117.2 R118.2 R119.2 R120.2 R121.2 R122.1 R122.2 R123.1 R123.2 R124.1 R124.3 R125.1 R125.3 R126.2 R127.2 R128.2 R129.2 U5.12 U6.1 U6.2 U6.3 U6.4 U6.6 U6.7 U6.8 U6.9 U6.10 U6.11 U7.12 U7.13 U9.EPAD U10.1 U10.2 U10.3 U10.4 U10.5 U10.6 U10.7 U10.8 U10.9 U11.5 U14.3 U16.3 U22.8 U22.9 U23.8 U23.9 U28.8 U28.9 U29.8 U29.9 U33.8 U33.9 U34.8 U34.9 U35.8 U35.9 U38.8 U38.9 U39.8 U39.9
copper on no net: | length 19563.3
  Top Layer w10: 1055,4955 1035,4955 1035,1065 1040,1060 6915,1060 6925,1050 6925,4940 6920,4945 1060,4945

## Other copper
Top Layer:
  text "Omarichet Space" at 3690,4569.99 h60
  text "Omarichet Space" at 1575,4554.99 h60
  text "Omarichet Space" at 6865.01,3550 h60 r90
  text "Omarichet EPS" at 1360,2160.64 h60
  text "Omarichet Space" at 6805.01,2025 h60 r90
  text "Omarichet Space" at 2470,1164.99 h60
  text "Omarichet EPS" at 4710,1100 h60

## Text inside footprints (layer, text, board x,y; h text height)
C26: Top Overlay "+" at 2739.97,2200.47 h59.06
C27: Top Overlay "+" at 3349.97,2200.47 h59.06
C33: Top Overlay "+" at 2664.97,3610.47 h59.06
C34: Top Overlay "+" at 3349.19,3615.47 h59.06
C40: Top Overlay "+" at 2534.97,4520.47 h59.06
C41: Top Overlay "+" at 3254.19,4560.47 h59.06
U3: Top Overlay "Designator9" at 5641.55,1100.41 h50 r90
U6: Top Overlay "Designator9" at 2173.18,2221 h50 r90
U7: Top Overlay "*" at 5895.93,3172.82 h50; Mechanical 13 "*" at 5895.93,3172.82 h50
U8: Top Overlay "*" at 5519.68,3171.25 h50; Mechanical 13 "*" at 5573.43,3124.75 h50
U9: Top Overlay "*" at 1533.68,3174 h50; Mechanical 13 "*" at 1585.43,3124.75 h50
U11: Top Overlay "*" at 3997.68,1968.57 h50; Mechanical 13 "*" at 3997.68,1968.57 h50
U14: Top Overlay "*" at 4137.5,2105 h50; Mechanical 13 "*" at 4137.5,2105 h50
U16: Top Overlay "*" at 4135.41,3796.5 h50; Mechanical 13 "*" at 4135.41,3796.5 h50